# Altium PCB ZYNQ7010_AD9363.PcbDoc (part 3 of 6)
Units mil, origin at the board's own origin, x right, y up, seen from the top; angles counter-clockwise.
Board outline 2907.03 x 3814.03 mil, 4 copper layers (Top Layer, Mid-Layer 1, Mid-Layer 2, Bottom Layer); 298 components, 279 nets, 1517 pads, 915 vias.
Unrouted connection lines stored in the file: 236.
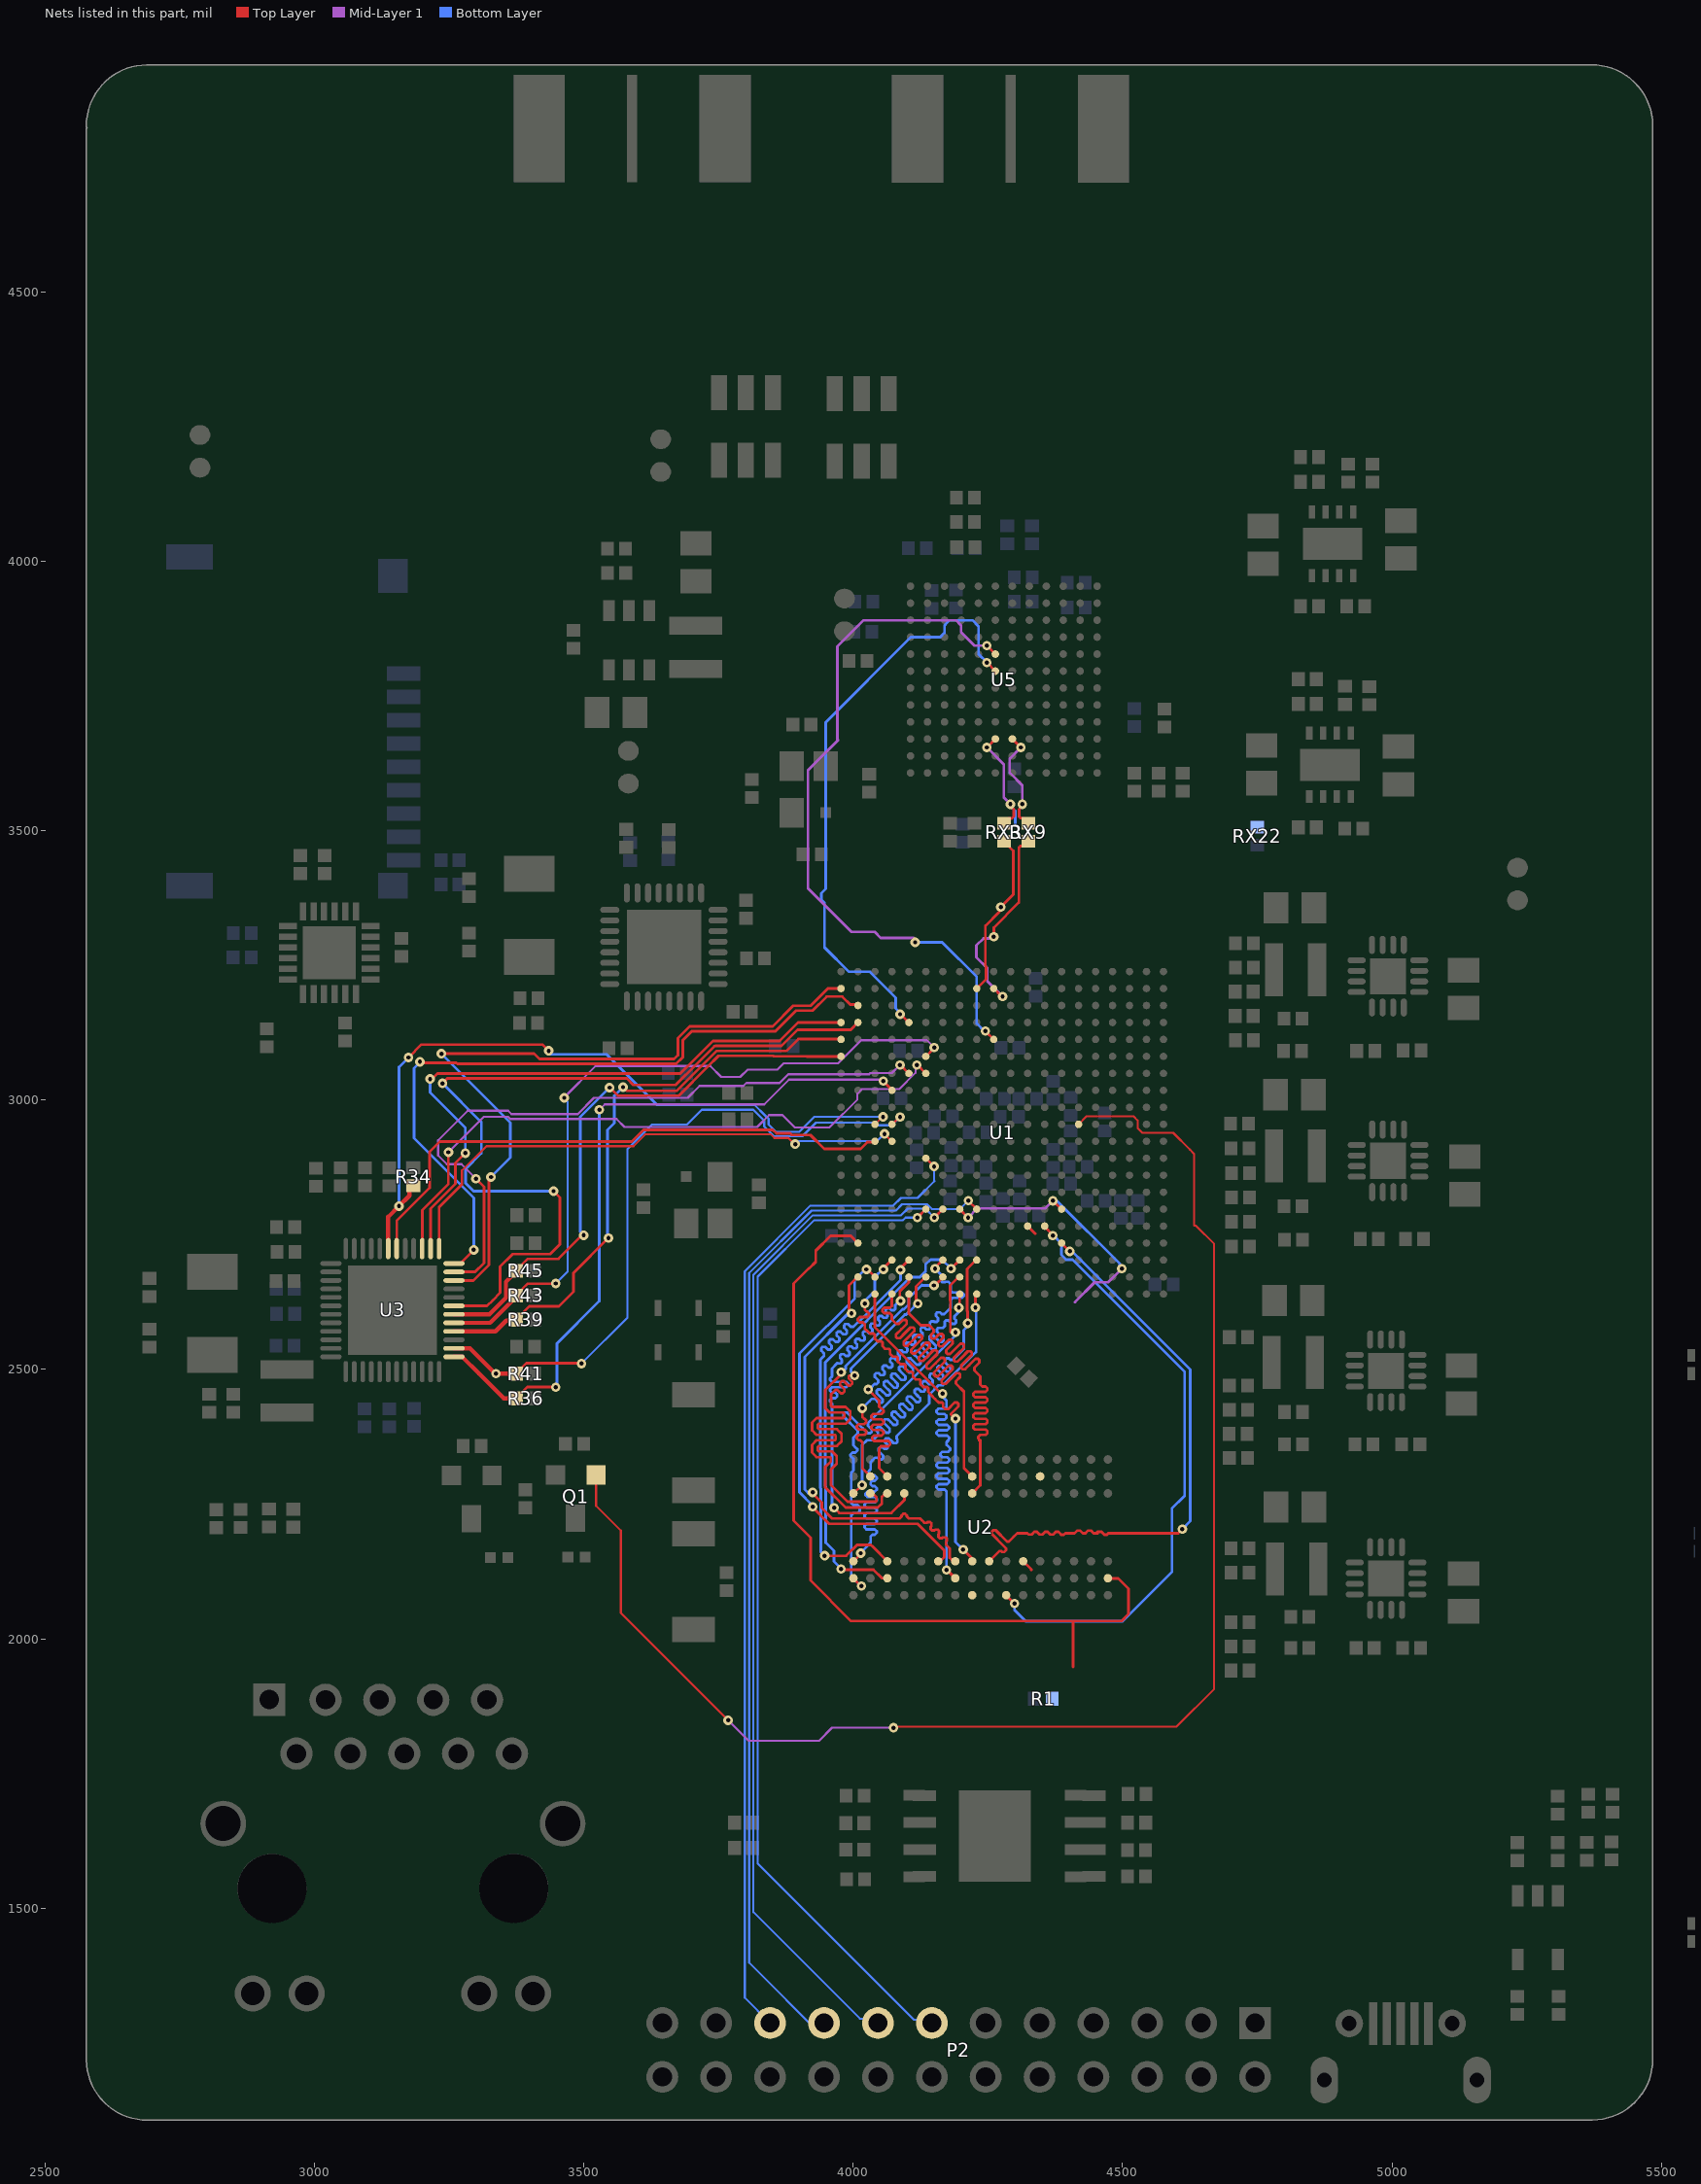
[diagram p5: the nets of this part, all layers, seen from the top]

## Via types
v1: diameter 17.72, hole 7.87, Top Layer to Bottom Layer, tented both sides, 899 vias
v2: diameter 19.68, hole 11.81, Top Layer to Bottom Layer, 16 vias

## Nets (pads, with @x,y where several pads share a name; then routed paths per layer and width w, separated by ;. In a path a pad name is that pad's centre, name@x,y a point inside that pad or via, vN(x,y) a via of type N, cw(c..) or ccw(c..) an arc to the next point about the centre after c; other vN are vias at no path point) (continued)
DDR3_DQ4: U1.D3 U2.H3 | length 782.9
  Top Layer w5: v1(4021.63,2622.39) 4021.63,2612.36 4021.63,2610.86 4025.13,2607.36 4026.28,2607.36 4029.78,2603.86 4029.78,2600.86 4026.28,2597.36 4021.63,2597.36 4012.11,2597.36 4008.61,2593.86 4008.61,2590.86 4012.11,2587.36 4018.13,2587.36 4021.63,2583.86 4021.63,2577.36 4021.63,2575.98 4025.17,2572.45 4031.18,2566.44 4033.3,2566.44 4038.25,2566.44 4040.37,2564.32 4040.37,2559.37 4040.37,2557.24 4045.32,2552.29 4047.44,2552.29 4052.39,2552.29 4054.51,2550.17 4054.51,2545.22 4054.51,2543.1 4059.46,2538.15 4061.59,2538.15 4066.54,2538.15 4068.66,2536.03 4068.66,2531.08 4068.66,2528.96 4073.6,2524.01 4075.73,2524.01 4080.68,2524.01 4082.8,2521.89 4082.8,2516.94 4082.8,2514.82 4087.75,2509.87 4089.87,2509.87 4094.82,2509.87 4096.94,2507.75 4096.94,2502.8 4096.94,2500.67 4101.89,2495.73 4104.01,2495.73 4108.96,2495.73 4111.08,2493.6 4111.08,2488.66 4111.08,2486.53 4116.03,2481.58 4118.15,2481.58 4123.1,2481.58 4125.23,2479.46 4125.23,2474.51 4125.23,2472.39 4130.17,2467.44 4132.3,2467.44 4137.25,2467.44 4139.37,2465.32 4139.37,2460.37 4139.37,2458.25 4145.38,2452.24 4152.45,2445.17 4158.95,2438.66 4160.09,2438.66 4165.03,2438.66 4167.16,2436.54 4167.16,2431.59 4167.16,2430.46 4171.19,2426.43 4176.14,2426.43 4188.33,2438.62 4193.28,2438.62 4195.4,2436.5 4195.4,2431.55 4181.67,2417.82 4181.67,2415.95 4188.73,2408.89 v1(4189.93,2408.89) ; v1(4056.36,2685.6) 4055.68,2685.6 4055.47,2685.39 4054.66,2686.21 U1.D3@4071.8,2703.34 ; v1(4204.14,2165.82) 4221.03,2148.94 U2.H3@4221.03,2144
  Bottom Layer w5: v1(4021.63,2622.39) 4016.85,2622.39 4040.11,2645.65 4040.11,2671.65 4054.45,2685.99 4055.46,2684.99 4056.07,2685.6 v1(4056.36,2685.6) ; v1(4189.93,2408.89) 4189.93,2180.04 v1(4204.14,2165.82)
DDR3_DQ5: U1.D1 U2.H8 | length 890.1
  Top Layer w5: U1.D1@4071.8,2640.35 U1.D1@4071.87,2640.28 ; U1.D1@4071.87,2640.35 U1.D1@4071.87,2640.28 ; U2.H8@4221.03,2301.49 4205.77,2316.75 4205.77,2458.78 4191.02,2473.54 4191.02,2478.49 4198.51,2485.98 4198.51,2490.93 4196.39,2493.05 4191.44,2493.05 4181.47,2483.08 4171.5,2473.11 4166.55,2473.11 4164.43,2475.23 4164.43,2480.18 4174.4,2490.15 4184.37,2500.12 4184.37,2505.07 4182.25,2507.19 4177.3,2507.19 4167.33,2497.22 4157.36,2487.25 4152.41,2487.25 4150.29,2489.38 4150.29,2494.33 4160.26,2504.29 4170.23,2514.26 4170.23,2519.21 4168.11,2521.34 4163.16,2521.34 4153.19,2511.37 4143.22,2501.4 4138.27,2501.4 4136.15,2503.52 4136.15,2508.47 4146.12,2518.44 4156.08,2528.41 4156.08,2533.36 4153.96,2535.48 4149.01,2535.48 4139.04,2525.51 4129.07,2515.54 4124.13,2515.54 4122,2517.66 4122,2522.61 4131.97,2532.58 4141.94,2542.55 4141.94,2547.5 4139.82,2549.62 4134.87,2549.62 4124.9,2539.65 4114.93,2529.68 4109.98,2529.68 4107.86,2531.8 4107.86,2536.75 4117.83,2546.72 4127.8,2556.69 4127.8,2561.64 4125.68,2563.76 4120.73,2563.76 4110.76,2553.79 4100.79,2543.82 4095.84,2543.82 4093.72,2545.94 4093.72,2550.89 4103.69,2560.86 4113.66,2570.83 4113.66,2575.78 4111.54,2577.9 4106.59,2577.9 4096.62,2567.93 4086.65,2557.97 4081.7,2557.97 4079.58,2560.09 4079.58,2565.04 4089.55,2575.01 4099.52,2584.97 4099.52,2589.92 4097.39,2592.05 4092.45,2592.05 4084.95,2584.55 4080,2584.55 4075.4,2589.15 4071.87,2592.68 4071.87,2594.31 4071.87,2600.81 4068.37,2604.31 4057.77,2604.31 4054.27,2607.81 4054.27,2610.81 4057.77,2614.31 4068.37,2614.31 4071.87,2617.81 4071.87,2624.31 4071.87,2629.31 U1.D1@4071.87,2640.28
DDR3_DQ6: U1.C1 U2.G2 | length 834.1
  Top Layer w5: U1.C1@4040.3,2640.1 4040.3,2578.27 4163.57,2455 v1(4166,2455) ; v1(4173.42,2127.83) 4174.21,2127.83 U2.G2@4189.54,2112.51 U2.G2@4189.54,2112.25
  Bottom Layer w5: v1(4166,2455) 4166,2449.57 4173.38,2442.2 4173.38,2437.2 4173.38,2430.7 4169.88,2427.2 4158.52,2427.2 4155.02,2423.7 4155.02,2420.7 4158.52,2417.2 4169.88,2417.2 4173.38,2413.7 4173.38,2410.7 4169.88,2407.2 4158.52,2407.2 4155.02,2403.7 4155.02,2400.7 4158.52,2397.2 4173.38,2397.2 4174.78,2397.2 4178.28,2393.7 4178.28,2390.7 4174.78,2387.2 4173.38,2387.2 4158.52,2387.2 4155.02,2383.7 4155.02,2380.7 4158.52,2377.2 4173.38,2377.2 4174.78,2377.2 4178.28,2373.7 4178.28,2370.7 4174.78,2367.2 ; v1(4173.42,2127.83) 4173.42,2169.36 4173.38,2169.41 4173.38,2273.7 4169.88,2277.2 4158.52,2277.2 4155.02,2280.7 4155.02,2283.7 4158.52,2287.2 4173.38,2287.2 4174.78,2287.2 4178.28,2290.7 4178.28,2293.7 4174.78,2297.2 4173.38,2297.2 4158.52,2297.2 4155.02,2300.7 4155.02,2303.7 4158.52,2307.2 4173.38,2307.2 4174.78,2307.2 4178.28,2310.7 4178.28,2313.7 4174.78,2317.2 4173.38,2317.2 4158.52,2317.2 4155.02,2320.7 4155.02,2323.7 4158.52,2327.2 4173.38,2327.2 4174.78,2327.2 4178.28,2330.7 4178.28,2333.7 4174.78,2337.2 4173.38,2337.2 4165.75,2337.2 4162.25,2340.7 4162.25,2343.7 4165.75,2347.2 4173.38,2347.2 4176.43,2347.2 4179.93,2350.7 4179.93,2353.7 4176.43,2357.2 4173.38,2360.25 4173.38,2364.14 4176.43,2367.2 ; 4174.93,2367.2 4176.28,2367.2
DDR3_DQ7: U1.E1 U2.H7 | length 891.4
  Top Layer w4: U1.E1@4103,2639.5 U1.E1@4103.5,2640
  Top Layer w5: U1.E1@4103.5,2640 4103.5,2604.15 4125.48,2582.17 4141.26,2582.17 4144.79,2578.64 4149.39,2574.04 4149.39,2569.09 4144.4,2564.11 4144.4,2559.16 4146.53,2557.04 4151.48,2557.04 4158.93,2564.5 4160.41,2565.97 4165.36,2565.97 4167.48,2563.85 4167.48,2558.9 4166.01,2557.43 4158.55,2549.97 4158.55,2545.02 4160.67,2542.89 4165.62,2542.89 4173.08,2550.35 4177.46,2554.74 4182.41,2554.74 4184.53,2552.61 4184.53,2547.66 4180.15,2543.28 4172.69,2535.82 4172.69,2530.87 4174.81,2528.75 4179.76,2528.75 4187.22,2536.21 4198.89,2547.88 4203.84,2547.88 4205.96,2545.76 4205.96,2540.81 4194.29,2529.14 4186.83,2521.68 4186.83,2516.73 4188.95,2514.61 4193.9,2514.61 4201.36,2522.07 4213.03,2533.74 4217.98,2533.74 4220.1,2531.62 4220.1,2526.67 4208.43,2515 4200.97,2507.54 4200.97,2502.59 4203.09,2500.47 4208.04,2500.47 4215.5,2507.93 4227.17,2519.59 4232.12,2519.59 4234.24,2517.47 4234.24,2512.52 4225.05,2503.33 4225.05,2498.38 4229.65,2493.79 4236.03,2487.4 4236.03,2482.4 4236.03,2473.52 4236.03,2472.02 4239.53,2468.52 4245.71,2468.52 4249.21,2465.02 4249.21,2462.02 4245.71,2458.52 4236.03,2458.52 4226.35,2458.52 4222.85,2455.02 4222.85,2452.02 4226.35,2448.52 4236.03,2448.52 4245.71,2448.52 4249.21,2445.02 4249.21,2442.02 4245.71,2438.52 4236.03,2438.52 4226.35,2438.52 4222.85,2435.02 4222.85,2432.02 4226.35,2428.52 4236.03,2428.52 4245.71,2428.52 4249.21,2425.02 4249.21,2422.02 4245.71,2418.52 4236.03,2418.52 4226.35,2418.52 4222.85,2415.02 4222.85,2412.02 4226.35,2408.52 4236.03,2408.52 4245.71,2408.52 4249.21,2405.02 4249.21,2402.02 4245.71,2398.52 4236.03,2398.52 4226.35,2398.52 4222.85,2395.02 4222.85,2392.02 4226.35,2388.52 4236.03,2388.52 4245.71,2388.52 4249.21,2385.02 4249.21,2382.02 4245.71,2378.52 4236.03,2378.52 4232.53,2375.02 4232.53,2372.02 4236.03,2368.52 4233.81,2368.52 4236.03,2366.29 4236.03,2321.42 4236.03,2296.74 4236.03,2285 U2.H7@4221.03,2270
DDR3_DQ8: U1.E2 U2.D7 | length 846.7
  Top Layer w5: v1(3964.72,2243.3) 3964.53,2243.3 3962,2245.84 3974.32,2233.52 4070.79,2233.52 4095.05,2257.78 U2.D7@4095.05,2270 ; v1(4088,2627) 4087.87,2627 4086.56,2628.31 4086.56,2644.66 4103.29,2661.38 U1.E2@4103.29,2671.84
  Bottom Layer w5: 3960.57,2436.92 3960.79,2436.7 3960.79,2426.92 3960.79,2421.79 3960.79,2247.23 v1(3964.72,2243.3) ; 3960.58,2436.92 3960.78,2436.92 3957.29,2440.42 3957.29,2443.42 3960.79,2446.92 3966.98,2446.92 3970.48,2450.42 3970.48,2453.42 3966.98,2456.92 3960.79,2456.92 3957.29,2460.42 3957.29,2463.42 3960.79,2466.92 3986.97,2466.92 3990.47,2470.42 3990.47,2473.42 3986.97,2476.92 3960.79,2476.92 3960.57,2476.92 3957.07,2480.42 3957.07,2483.42 3960.57,2486.92 3960.79,2487.14 3960.79,2496.92 3960.79,2501.92 3970.4,2511.54 3971.49,2511.54 3972.01,2511.02 3976.96,2511.02 3979.08,2513.14 3979.08,2518.09 3978.02,2519.15 3975.75,2521.41 3975.75,2526.36 3977.87,2528.48 3982.82,2528.48 3985.09,2526.22 3986.15,2525.16 3991.1,2525.16 3993.22,2527.28 3993.22,2532.23 3992.16,2533.29 3989.9,2535.55 3989.9,2540.5 3992.02,2542.63 3996.97,2542.63 3999.23,2540.36 4000.29,2539.3 4005.24,2539.3 4007.36,2541.42 4007.36,2546.37 4006.3,2547.44 4004.04,2549.7 4004.04,2554.65 4006.16,2556.77 4011.11,2556.77 4013.37,2554.51 4014.43,2553.44 4019.38,2553.44 4021.5,2555.57 4021.5,2560.52 4020.44,2561.58 4018.18,2563.84 4018.18,2568.79 4020.3,2570.91 4025.25,2570.91 4027.51,2568.65 4028.57,2567.59 4033.52,2567.59 4035.65,2569.71 4035.65,2574.66 4034.58,2575.72 4032.32,2577.98 4032.32,2582.93 4034.44,2585.05 4039.39,2585.05 4041.65,2582.79 4042.72,2581.73 4047.67,2581.73 4049.79,2583.85 4049.79,2588.8 4048.73,2589.86 4046.46,2592.12 4046.46,2597.07 4048.59,2599.19 4053.54,2599.19 4055.8,2596.93 4056.86,2595.87 4061.81,2595.87 4063.93,2597.99 4063.93,2602.94 4062.87,2604 4060.61,2606.27 4060.61,2611.22 4062.73,2613.34 4067.68,2613.34 4069.94,2611.07 4071,2610.01 4075.95,2610.01 4078.07,2612.13 4078.07,2617.08 4078.07,2619.21 4080.55,2621.68 4085.86,2627 v1(4088,2627)
DDR3_DQ9: U1.E3 U2.C3 | length 836.5
  Top Layer w4: v1(4087.93,2684.83) 4087.93,2687.99 v1@4088.75,2688.8
  Top Layer w5: v1(3947.11,2154.2) 3987.2,2154.2 4007.36,2174.36 4033.19,2174.36 4036.3,2171.25 U2.C3@4063.55,2144 ; v1@4088.75,2688.8 U1.E3@4103.29,2703.34
  Bottom Layer w5: 3939.07,2517.96 3939.07,2279.65 3940.36,2278.36 3940.36,2160.95 v1(3947.11,2154.2) ; 3939.1,2517.99 3941.46,2520.35 3946.06,2524.95 3946.06,2529.9 3941.19,2534.77 3941.19,2539.72 3943.31,2541.84 3948.26,2541.84 3953.13,2536.97 3958.08,2536.97 3960.2,2539.09 3960.2,2544.04 3955.33,2548.91 3955.33,2553.86 3957.45,2555.98 3962.4,2555.98 3967.27,2551.11 3972.22,2551.11 3974.34,2553.23 3974.34,2558.18 3969.47,2563.05 3969.47,2568 3971.59,2570.12 3976.54,2570.12 3981.41,2565.25 3986.36,2565.25 3988.48,2567.38 3988.48,2572.33 3983.62,2577.2 3983.62,2582.15 3985.74,2584.27 3990.69,2584.27 3995.56,2579.4 4000.51,2579.4 4005.1,2583.99 4008.64,2587.53 4009.25,2587.53 4087.93,2666.21 v1(4087.93,2684.83)
DDR3_DQ10: U1.G3 U2.C8 | length 831.8
  Top Layer w5: v1(4028,2463) v1@4028,2462.64 ; v1@4029,2461.64 v1@4028,2462.64 ; U2.C8@4063.55,2301.49 4048.2,2316.84 4048.2,2336.49 4048.2,2347.44 4048.2,2353.94 4051.7,2357.44 4065.28,2357.44 4068.78,2360.94 4068.78,2363.94 4065.28,2367.44 4048.2,2367.44 4038.74,2367.44 4035.24,2370.94 4035.24,2373.94 4038.74,2377.44 4048.2,2377.44 4053.09,2377.44 4056.59,2380.94 4056.59,2383.94 4053.09,2387.44 4048.2,2387.44 4037.52,2387.44 4034.02,2390.94 4034.02,2393.94 4037.52,2397.44 4048.2,2397.44 4052.82,2397.44 4056.32,2400.94 4056.32,2403.94 4052.82,2407.44 4048.2,2407.44 4037.52,2407.44 4034.02,2410.94 4034.02,2413.94 4037.52,2417.44 4048.2,2417.44 4052.82,2417.44 4056.32,2420.94 4056.32,2423.94 4052.82,2427.44 4051.7,2427.44 4048.2,2430.94 4048.2,2437.44 4048.2,2442.44 4046.67,2443.97 4039.6,2451.04 4036.07,2454.57 v1@4028,2462.64 ; v1(4152,2687) 4152,2689.07 U1.G3@4166.28,2703.34
  Bottom Layer w5: v1(4028,2463) 4029.84,2463 4034.74,2467.89 4039.62,2472.78 4044.03,2472.78 4046.69,2475.44 4046.69,2479.85 4040.48,2486.06 4040.48,2491.01 4042.61,2493.13 4047.56,2493.13 4051.29,2489.4 4056.24,2489.4 4058.36,2491.52 4058.36,2496.47 4054.63,2500.2 4054.63,2505.15 4056.75,2507.27 4061.7,2507.27 4065.43,2503.54 4070.38,2503.54 4072.5,2505.66 4072.5,2510.61 4068.77,2514.35 4068.77,2519.3 4070.89,2521.42 4075.84,2521.42 4079.58,2517.68 4084.53,2517.68 4086.65,2519.8 4086.65,2524.75 4082.91,2528.49 4082.91,2533.44 4085.03,2535.56 4089.98,2535.56 4093.72,2531.82 4098.67,2531.82 4100.79,2533.94 4100.79,2538.89 4097.05,2542.63 4097.05,2547.58 4099.17,2549.7 4104.12,2549.7 4107.86,2545.97 4112.81,2545.97 4114.93,2548.09 4114.93,2553.04 4111.2,2556.77 4111.2,2561.72 4113.32,2563.84 4118.27,2563.84 4122,2560.11 4126.95,2560.11 4129.07,2562.23 4129.07,2567.18 4125.34,2570.91 4125.34,2575.86 4127.46,2577.98 4132.41,2577.98 4136.14,2574.25 4141.09,2574.25 4143.21,2576.37 4143.22,2581.32 4142.6,2581.93 4142.6,2586.88 4144.72,2589.01 4149.67,2589.01 4150.29,2588.39 4155.24,2588.39 4157.36,2590.51 4157.36,2595.46 4153.9,2598.92 4153.9,2603.87 4156.02,2605.99 4160.97,2605.99 4164.43,2602.53 4169.38,2602.53 4173.97,2607.13 4177.51,2610.67 4180.93,2614.08 4180.93,2620.97 4181.28,2621.32 4181.28,2621.81 4181.28,2622.83 4181.28,2629.33 4184.78,2632.83 4201.78,2632.83 4205.28,2636.33 4205.28,2639.33 4201.78,2642.83 4184.78,2642.83 4181.28,2646.33 4181.28,2652.83 4181.28,2657.83 4180.88,2658.22 4176.28,2662.82 4171.33,2662.82 4170.26,2661.75 4165.31,2661.75 4163.19,2663.87 4163.19,2668.82 4164.26,2669.89 4164.26,2674.84 4159.67,2679.44 4156.13,2682.97 4152.1,2687 v1(4152,2687)
DDR3_DQ11: U1.H3 U2.C2 | length 837.8
  Top Layer w5: v1@3977.73,2128.15 4037.84,2128.15 4053.48,2112.51 U2.C2@4063.55,2112.51 ; v1(4181.62,2687.19) U1.H3@4197.78,2703.34
  Bottom Layer w5: v1(3977.73,2129.51) 3977.73,2130.4 3964.49,2143.64 3964.49,2163.4 3949.36,2178.53 3949.36,2282.09 3948.07,2283.38 3948.07,2513.07 4106.1,2671.1 4123.75,2671.1 4134.39,2681.73 4134.39,2694.39 4143.77,2703.77 4165.04,2703.77 v1(4181.62,2687.19)
DDR3_DQ12: U1.J3 U2.A7 | length 833.1
  Top Layer w5: U2.A7@4000.3,2270.26 4000.82,2269.74 v1(4016.53,2285.44) ; v1@4212.59,2586.04 v1(4212.76,2585.88) 4212.76,2607.52 4211.64,2608.64 4211.64,2686.24 4212.59,2687.19 U1.J3@4229.01,2703.61
  Bottom Layer w5: v1@4017.43,2285.44 4016.79,2286.08 4016.79,2359.85 4025.58,2368.63 4036.16,2368.63 4046.06,2378.53 4046.06,2383.48 4043.32,2386.23 4043.32,2391.18 4045.44,2393.3 4050.39,2393.3 4055.61,2388.08 4060.83,2382.86 4065.77,2382.86 4067.9,2384.99 4067.9,2389.94 4062.68,2395.15 4057.46,2400.37 4057.46,2405.32 4059.58,2407.44 4064.53,2407.44 4069.75,2402.22 4074.97,2397.01 4079.92,2397.01 4082.04,2399.13 4082.04,2404.08 4076.82,2409.29 4071.61,2414.51 4071.61,2419.46 4073.73,2421.58 4078.68,2421.58 4083.89,2416.37 4089.11,2411.15 4094.06,2411.15 4096.18,2413.27 4096.18,2418.22 4090.96,2423.44 4085.75,2428.65 4085.75,2433.6 4087.87,2435.72 4092.82,2435.72 4098.03,2430.51 4103.25,2425.29 4108.2,2425.29 4110.32,2427.41 4110.32,2432.36 4105.11,2437.58 4099.89,2442.8 4099.89,2447.74 4102.01,2449.87 4106.96,2449.87 4112.18,2444.65 4117.39,2439.43 4122.34,2439.43 4124.46,2441.55 4124.46,2446.5 4119.25,2451.72 4114.03,2456.94 4114.03,2461.89 4116.15,2464.01 4121.1,2464.01 4126.32,2458.79 4131.27,2458.79 4133.39,2460.91 4133.39,2465.86 4128.17,2471.08 4128.17,2476.03 4130.29,2478.15 4135.24,2478.15 4140.46,2472.93 4145.41,2472.93 4147.53,2475.06 4147.53,2480 4142.32,2485.22 4142.32,2490.17 4144.44,2492.29 4149.39,2492.29 4154.6,2487.08 4159.82,2481.86 4164.77,2481.86 4166.89,2483.98 4166.89,2488.93 4161.67,2494.15 4156.46,2499.36 4156.46,2504.31 4158.58,2506.43 4163.53,2506.43 4168.75,2501.22 4173.96,2496 4178.91,2496 4181.03,2498.12 4181.03,2503.07 4175.82,2508.29 4170.6,2513.51 4170.6,2518.46 4172.72,2520.58 4177.67,2520.58 4180.41,2517.84 4185.36,2517.84 4189.96,2522.43 4193.49,2525.97 4205.36,2537.83 4205.36,2573.13 v1@4212.76,2580.54
DDR3_DQ13: U1.H2 U2.A2 | length 837
  Top Layer w5: U2.A2@4000.56,2112.51 v1@4012.49,2100.59 ; v1(4190,2569) 4181.69,2569 4180.36,2570.33 4180.36,2628.36 4180.12,2628.6 4180.12,2655.7 U1.H2@4196.62,2672.2
  Bottom Layer w5: v1@4012.49,2100.59 3996.5,2116.57 3996.5,2212 3996.5,2229.5 4000.25,2233.25 4008.37,2233.25 4012.12,2237 4012.12,2244.5 4008.37,2248.25 4000.25,2248.25 3996.5,2252 3996.5,2267 3996.5,2308.54 4000.35,2312.39 4000.35,2330.8 4000.35,2334.33 3998.88,2335.8 3995.38,2339.3 3995.38,2342.3 3998.88,2345.8 4000.35,2345.8 4004.29,2345.8 4007.79,2349.3 4007.79,2352.3 4004.29,2355.8 4003.85,2355.8 4000.35,2359.3 4000.35,2365.8 4000.35,2373.29 4003.88,2376.82 4008.48,2381.42 4008.48,2386.37 3982,2412.85 3982,2417.8 3984.12,2419.92 3989.07,2419.92 4018.02,2390.96 4027.25,2381.74 4032.2,2381.74 4034.32,2383.86 4034.32,2388.81 4027.57,2395.56 4027.57,2400.51 4032.17,2405.11 4032.27,2405.11 4176.67,2549.51 4176.67,2549.61 4190,2562.94 v1(4190,2569)
  other v1: 4015.52,2098.24
DDR3_DQ14: U1.H1 U2.B8 | length 844.1
  Top Layer w5: v1(4017,2428) 4017.06,2427.94 4017.06,2426.29 4017.06,2413.54 4017.06,2412.04 4020.56,2408.54 4020.95,2408.54 4024.45,2405.04 4024.45,2402.04 4020.95,2398.54 4017.06,2398.54 4010.3,2398.54 4006.8,2395.04 4006.8,2392.04 4010.3,2388.54 4017.06,2388.54 4020.95,2388.54 4024.45,2385.04 4024.45,2382.04 4020.95,2378.54 4017.06,2378.54 4010.3,2378.54 4006.8,2375.04 4006.8,2372.04 4010.3,2368.54 4013.56,2368.54 4017.06,2365.04 4017.06,2332.96 4017.06,2316.49 U2.B8@4032.06,2301.49 ; v1(4196.28,2614.61) 4197.78,2614.61 U1.H1@4197.78,2640.35
  Bottom Layer w5: v1@4013.33,2423.22 4016.46,2426.35 4016.46,2427.04 4018.15,2428.73 4023.29,2433.86 4030.36,2440.93 4034.95,2445.53 4039.9,2445.53 4047.46,2437.97 4052.41,2437.97 4054.53,2440.1 4054.53,2445.05 4044.5,2455.08 4043.7,2455.87 4043.7,2460.82 4045.82,2462.94 4050.77,2462.94 4051.57,2462.15 4061.6,2452.12 4066.55,2452.12 4068.67,2454.24 4068.67,2459.19 4058.64,2469.22 4056.9,2470.96 4056.9,2475.91 4059.02,2478.03 4063.97,2478.03 4065.71,2476.29 4075.74,2466.26 4080.69,2466.26 4082.81,2468.38 4082.81,2473.33 4072.78,2483.36 4071.04,2485.1 4071.04,2490.05 4073.16,2492.18 4078.11,2492.18 4079.85,2490.43 4089.88,2480.4 4094.83,2480.4 4096.95,2482.52 4096.95,2487.47 4086.92,2497.5 4085.18,2499.25 4085.18,2504.2 4087.3,2506.32 4092.25,2506.32 4094,2504.57 4104.03,2494.54 4108.98,2494.54 4111.1,2496.66 4111.1,2501.61 4101.07,2511.64 4099.32,2513.39 4099.32,2518.34 4101.44,2520.46 4106.39,2520.46 4108.14,2518.72 4118.17,2508.69 4123.12,2508.69 4125.24,2510.81 4125.24,2515.76 4115.21,2525.79 4113.46,2527.53 4113.46,2532.48 4115.59,2534.6 4120.54,2534.6 4122.28,2532.86 4132.31,2522.83 4137.26,2522.83 4139.38,2524.95 4139.38,2529.9 4129.35,2539.93 4127.61,2541.67 4127.61,2546.62 4129.73,2548.74 4134.68,2548.74 4136.42,2547 4146.45,2536.97 4151.4,2536.97 4153.52,2539.09 4153.52,2544.04 4143.49,2554.07 4141.75,2555.82 4141.75,2560.76 4143.87,2562.89 4148.82,2562.89 4150.56,2561.14 4160.59,2551.11 4165.54,2551.11 4167.67,2553.23 4167.67,2558.18 4157.64,2568.21 4155.89,2569.96 4155.89,2574.91 4158.01,2577.03 4162.96,2577.03 4166.45,2577.03 4170.03,2580.61 4170.03,2584.1 4170.03,2589.05 4172.15,2591.17 4177.1,2591.17 4178.85,2589.43 4183.75,2584.53 4188.7,2584.53 4190.82,2586.65 4190.82,2591.6 4188.39,2594.02 4188.39,2598.97 4189.46,2600.03 4196.28,2606.86 v1(4196.28,2614.61)
DDR3_DQ15: U1.J1 U2.A3 | length 834.7
  Top Layer w5: U2.A3@4000.56,2144 v1@4017.07,2160.51 ; v1(4227,2615) 4227,2638.08 U1.J1@4229.28,2640.35
  Bottom Layer w5: v1@4015.85,2161.74 4032.43,2178.32 4032.43,2183.32 4032.43,2189.82 4035.93,2193.32 4040.24,2193.32 4043.74,2196.82 4043.74,2199.82 4040.24,2203.32 4032.43,2203.32 4024.62,2203.32 4021.12,2206.82 4021.12,2209.82 4024.62,2213.32 4032.43,2213.32 4040.24,2213.32 4043.74,2216.82 4043.74,2219.82 4040.24,2223.32 4032.43,2223.32 4024.62,2223.32 4021.12,2226.82 4021.12,2229.82 4024.62,2233.32 4032.43,2233.32 4040.24,2233.32 4043.74,2236.82 4043.74,2239.82 4040.24,2243.32 4032.43,2243.32 4024.62,2243.32 4021.12,2246.82 4021.12,2249.82 4024.62,2253.32 4032.43,2253.32 4040.24,2253.32 4043.74,2256.82 4043.74,2259.82 4040.24,2263.32 4032.43,2263.32 4026.67,2263.32 4023.17,2266.82 4023.17,2269.82 4026.67,2273.32 4032.43,2273.32 4040.24,2273.32 4043.74,2276.82 4043.74,2279.82 4040.24,2283.32 4035.93,2283.32 4032.43,2286.82 4032.43,2289.82 4035.93,2293.32 4040.24,2293.32 4043.74,2296.82 4043.74,2299.82 4040.24,2303.32 4032.43,2303.32 4031.25,2303.32 4027.75,2306.82 4027.75,2309.82 4031.25,2313.32 4030.56,2313.32 4032.43,2315.2 4032.43,2323.32 4032.43,2327.97 4035.97,2331.51 4040.56,2336.1 4045.51,2336.1 4048.56,2333.06 4053.51,2333.06 4055.63,2335.18 4055.63,2340.13 4050.11,2345.65 4047.54,2348.21 4047.54,2353.16 4049.67,2355.29 4054.61,2355.29 4057.18,2352.72 4057.24,2352.66 4062.19,2352.66 4064.31,2354.79 4064.31,2359.74 4064.25,2359.79 4059,2365.04 4059,2369.99 4061.12,2372.11 4066.07,2372.11 4071.32,2366.86 4074.97,2363.22 4079.92,2363.22 4082.04,2365.34 4082.04,2370.29 4080.87,2371.46 4080.87,2376.41 4132.23,2427.77 4141.06,2436.6 4141.06,2452.95 4158.82,2470.71 4166.35,2470.71 4228.12,2532.48 4228.12,2613.88 v1(4227,2615)
  other v1: 4014,2159
DDR3_DQS0_N: U1.B2 U2.G3 | length 835.4
  Top Layer w5: v1(3925,2272) 3925,2269.99 3941.95,2253.04 3941.95,2242.66 3961.09,2223.52 4084.74,2223.52 4086.24,2223.52 4089.74,2227.02 4089.74,2228.89 4093.24,2232.39 4096.24,2232.39 4099.74,2228.89 4099.74,2227.02 4103.24,2223.52 4109.74,2223.52 4119.74,2223.52 4123.9,2223.52 4127.43,2219.98 4132.03,2215.39 4136.98,2215.39 4138.3,2216.71 4143.25,2216.71 4145.37,2214.59 4145.37,2209.64 4144.05,2208.32 4144.05,2203.37 4146.17,2201.24 4151.12,2201.24 4152.44,2202.57 4157.39,2202.57 4159.51,2200.44 4159.51,2195.49 4158.19,2194.17 4158.19,2189.22 4160.31,2187.1 4165.26,2187.1 4166.58,2188.42 4171.53,2188.42 4173.66,2186.3 4173.66,2181.35 4172.33,2180.03 4172.33,2175.08 4175.61,2171.81 4179.28,2168.13 4179.28,2150.56 4185.84,2144 U2.G3@4189.54,2144 ; v1(3997,2604) 3996.94,2604 3995.94,2603 3992.67,2606.27 3992.67,2655.72 U1.B2@4008.8,2671.84
  Bottom Layer w5: v1(3925,2272) 3917.5,2272 3916.44,2270.94 3910.5,2276.89 3910.5,2523.41 3991.09,2604 v1(3997,2604)
DDR3_DQS0_P: U1.C2 U2.F3 | length 830.6
  Top Layer w5: v1(3925,2245) 3925,2244.14 3938.37,2230.77 3938.37,2230.3 3955.15,2213.52 4119.76,2213.52 4169.28,2163.99 4169.28,2151.86 4161.43,2144 U2.F3@4158.04,2144 ; v1(4024.76,2685.65) 4026.26,2685.65 4040.06,2671.84 U1.C2@4040.3,2671.84
  Bottom Layer w5: v1(3925,2245) 3924.14,2245 3924.14,2248.56 3900.5,2272.19 3900.5,2529.49 4002.95,2631.94 4002.95,2666.05 4022.54,2685.65 v1(4024.76,2685.65)
DDR3_DQS1_N: U1.F2 U2.B7 | length 839.6
  Top Layer w5: v1(4002.8,2488.67) 3993.58,2488.67 3991.81,2486.91 3991.81,2483.37 3998.18,2477.01 3998.18,2473.47 3994.64,2469.94 3991.1,2469.94 3982.97,2478.07 3982.64,2478.4 3979.1,2478.4 3975.57,2474.87 3975.57,2471.33 3975.9,2471 3984.03,2462.87 3984.03,2459.33 3980.5,2455.79 3976.96,2455.79 3970.6,2462.16 3967.06,2462.16 3961.76,2456.86 3959.11,2454.2 3959.11,2449.2 3959.11,2442.14 3959.11,2432.58 3961.15,2430.53 3986.26,2430.53 3994.54,2422.25 3994.54,2407.52 3986.26,2399.24 3936.49,2399.24 3934.45,2397.2 3934.45,2391.29 3936.49,2389.24 3970.18,2389.24 3978.46,2380.96 3978.46,2366.23 3970.18,2357.95 3936.49,2357.95 3934.45,2355.91 3934.45,2350 3936.49,2347.95 3961.15,2347.95 3969.43,2339.67 3969.43,2324.94 3959.11,2314.62 3959.11,2285.11 3989.7,2254.52 4041.46,2254.52 4043.42,2256.48 4043.42,2262.7 4036.12,2270 U2.B7@4032.06,2270 ; v1(4120,2622) 4118.66,2622 4117.15,2623.51 4117.15,2654.2 U1.F2@4134.79,2671.84
  Bottom Layer w5: v1(4002.8,2488.67) 3995.98,2495.49 3995.98,2501.76 4095.86,2601.64 4098.5,2601.64 4113.36,2616.5 4113.36,2619.14 4117.15,2622.93 4118.32,2621.75 4118.58,2622 v1(4120,2622)
DDR3_DQS1_P: U1.G2 U2.C7 | length 840.4
  Top Layer w5: v1(3977.85,2495.07) 3977.85,2491.29 3948.46,2461.91 3948.46,2428.17 3956.74,2419.89 3981.85,2419.89 3983.89,2417.84 3983.89,2411.93 3981.85,2409.89 3932.08,2409.89 3923.8,2401.61 3923.8,2386.88 3932.08,2378.6 3965.77,2378.6 3967.82,2376.55 3967.82,2370.64 3965.77,2368.6 3932.08,2368.6 3923.8,2360.32 3923.8,2345.59 3932.08,2337.31 3956.74,2337.31 3958.79,2335.26 3958.79,2329.35 3948.46,2319.03 3948.46,2281.27 3986.05,2243.69 4045.79,2243.69 4053.5,2251.39 4053.5,2263.95 4059.55,2270 U2.C7@4063.55,2270 ; v1(4150,2656) 4151.59,2656 4152.59,2657 4166.28,2670.68 U1.G2@4166.28,2671.84
  Bottom Layer w5: v1(3977.85,2495.07) 3979.97,2495.07 3985.98,2501.08 3985.98,2505.9 4091.72,2611.64 4094.36,2611.64 4103.36,2620.64 4103.36,2632.48 4127.88,2657 4128.88,2656 v1(4150,2656)
DDR3_ODT: U1.N5 U2.K1 | length 1139.8
  Top Layer w5: U2.K1@4284.02,2081 v1(4299.55,2065.48) ; U1.N5@4354.64,2765.72 4370.48,2749.88 v1(4370.48,2748.43)
  Bottom Layer w5: v1(4299.55,2065.48) 4299.55,2053.45 4320.3,2032.7 4500.28,2032.7 4591.68,2124.1 4591.68,2241.68 4615.04,2265.04 4615.04,2495.96 4407.21,2703.79 4395.37,2703.79 4386.58,2712.58 4386.58,2725 4386.89,2725.31 4386.89,2733.47 4371.93,2748.43 v1(4370.48,2748.43)
DDR3_RAS: U1.P4 U2.J3 | length 1128.9
  Top Layer w5: U2.J3@4252.53,2141.67 4252.53,2143.79 U2.J3@4252.53,2144 4261.91,2153.38 4269.32,2160.79 4271.43,2162.9 4274.97,2162.9 4276.74,2161.13 4280.28,2161.13 4283.81,2164.66 4283.81,2168.2 4280.27,2171.74 4257.22,2194.79 4257.22,2198.32 4260.76,2201.86 4264.29,2201.86 4285.57,2180.58 4289.11,2180.58 4294.41,2185.88 4297.95,2189.42 4304.55,2196.03 4313.68,2196.03 4323.63,2196.03 4323.68,2195.98 4326.18,2193.53 4331.18,2193.53 4333.68,2196.03 ; 4333.68,2196.06 4336.18,2198.56 4341.18,2198.56 4343.68,2196.06 ; 4343.68,2196.03 4346.18,2193.53 4351.18,2193.53 4353.68,2196.03 4356.18,2198.53 4361.18,2198.53 4363.68,2196.03 4366.18,2193.53 4371.18,2193.53 4373.68,2196.03 4376.18,2198.53 4381.18,2198.53 4383.68,2196.03 4386.18,2193.48 4391.18,2193.48 4393.68,2195.98 4393.73,2196.03 4403.68,2196.03 4411.18,2196.03 4413.68,2198.53 4416.18,2201.03 4421.18,2201.03 4423.68,2198.53 4426.18,2196.03 4431.18,2196.03 4433.68,2198.53 4436.18,2201.03 4441.18,2201.03 4443.68,2198.53 4446.18,2196.03 4451.18,2196.03 4453.68,2198.53 ; U1.P4@4386.76,2734.63 v1(4402.19,2719.19) ; 4453.68,2196.03 4456.18,2198.53 4461.18,2198.53 4463.68,2196.03 4466.18,2193.48 4471.18,2193.48 4473.68,2195.98 4473.73,2196.03 4478.68,2196.03 4603.37,2196.03 v1(4610.99,2203.65) ; 4453.68,2197.15 4453.68,2197.4
  Bottom Layer w5: v1(4402.19,2719.19) 4406.4,2719.19 4625.66,2499.94 4625.66,2218.32 v1(4610.99,2203.65)
DDR3_RESET: R1.1 U1.B4 U2.T2 | length 1542.5
  Top Layer w5: U1.B4@4009.01,2734.49 3995.62,2747.88 3958.16,2747.88 3930.64,2720.36 3930.64,2699.64 3918.37,2687.37 3917.7,2687.37 3889.67,2659.33 3889.67,2219.33 3921,2188 3921,2108.39 3996.4,2033 4408.48,2033 ; 4408.42,1947.69 4408.42,2032.93 4408.48,2033 ; U2.T2@4473.21,2112.16 4492.21,2112.16 4511.02,2093.35 4511.02,2046.02 4498,2033 4408.48,2033
DDR3_VREF: C1.1 R4.1 R5.2 U1.H6 U1.P6 U2.H1 U2.M8 | length 513.9
  Top Layer w5: U1.H6@4197.64,2797.34 v1(4213.38,2781.6) ; v1(4370.88,2813.08) U1.P6@4386.62,2797.34
  Mid-Layer 1 w5: v1(4213.38,2781.6) 4230.78,2799 4356.8,2799 v1(4370.88,2813.08) ; 4411.64,2625.02 4448.38,2661.76 4473.42,2661.76 v1(4498.56,2686.9) v1@4500.67,2689.01
  Bottom Layer w5: v1(4370.88,2813.08) 4378.06,2813.08 4494.9,2696.24 4494.9,2690.56 v1(4498.56,2686.9)
DDR3_WE: U1.M5 U2.L3 | length 42.9
  Top Layer w5: U2.L3@4315.52,2144 4330.52,2129 4330.52,2127.97 ; U1.M5@4323.72,2766.37 4338.28,2751.81
EN_AGC: U1.K16 U5.G5 | length 1332.5
  Top Layer w5: v1(4245.31,3128.18) U1.K16@4261.05,3112.44 ; v1(4248.25,3843.37) U5.G5@4264,3827.61
  Mid-Layer 1 w5: 3971,3669 3971,3842 4019.38,3890.38 4190.74,3890.38 4200.29,3880.83 4200.29,3867.88 4224.8,3843.37 v1(4248.25,3843.37) ; 3972.18,3667.82 3916.28,3611.91 3916.28,3392.64 3996.92,3312 4040.28,3312 4051.28,3301 4112.07,3301 4112.57,3300.5 4112.57,3295.07 v1(4115,3292.64)
  Bottom Layer w5: v1(4115,3292.64) 4165.08,3292.64 4229.36,3228.36 4229.36,3142.07 4243.25,3128.18 v1(4245.31,3128.18)
ENABLE: U1.E17 U5.G6 | length 1121.9
  Top Layer w5: v1(4087.13,3159.15) 4087.7,3159.15 4103.05,3143.8 U1.E17@4103.05,3143.44 ; v1(4248.25,3811.87) U5.G6@4264,3796.12
  Bottom Layer w5: v1(4087.13,3159.15) 4087.13,3161.87 4078.95,3170.05 4078.95,3190.05 4047.62,3221.38 4047.62,3221.63 4031.24,3238 3992.27,3238 3947,3283.27 3947,3366 3941,3372 3941,3384 3949,3392 3949,3700.84 4107.27,3859.1 4161.47,3859.1 4169.57,3867.2 4169.57,3880.83 4171,3882.26 4171,3882.6 4178.78,3890.38 4221.23,3890.38 4232.74,3878.87 4232.74,3827.38 v1(4248.25,3811.87)
ETH_MDC: U1.C10 U3.30 | length 1068.9
  Top Layer w5: U3.30@3153.01,2724.26 3153.01,2775.95 3214,2836.94 3214,2904 3233,2923 3589,2923 3610.7,2944.7 3851.01,2944.7 3857.72,2938 3883.27,2938 3886.27,2935 3920.73,2935 3946.38,2909.34 4014.02,2909.34 4026.45,2921.78 4038.83,2921.78 U1.C10@4040.51,2923.46
ETH_MDIO: R34.2 U1.C11 U3.31 | length 1415.8
  Top Layer w4: U1.C11@4040.51,2954.96 v1@4054.21,2968.66
  Top Layer w5: v1(3175,3079) 3199,3103 3423.36,3103 v1(3435,3091.36)
  Top Layer w8: U3.31@3137.26,2724.26 3137.26,2783.26 v1(3157.18,2803.18) 3176.58,2822.58 3176.58,2833.32 R34.2@3184,2840.74
  Bottom Layer w4: 3636,2991 3817.14,2991 3836.5,2971.64 3843.01,2965.12 3843.01,2954.3 3856.31,2941 3900,2941 3927.66,2968.66 v1(4055.59,2968.66)
  Bottom Layer w5: v1(3157.18,2803.18) 3157.18,3061.18 v1(3175,3079) ; v1(3435,3091.36) 3435,3087.93 3437.93,3085 3542,3085 3636,2991
ETH_RXCK: U1.B17 U3.19 | length 1606.8
  Top Layer w5: v1@3233.42,3026.42 v1(3238,3031) 3247,3040 3580,3040 3592,3028 3670.82,3028 3711,3068.18 3742.82,3100 3743.5,3100 3744.18,3100.68 3867.14,3100.68 3897,3130.54 3995.62,3130.54 U1.B17@4009.01,3143.93 ; U3.19@3259.31,2617.96 3320.75,2617.96 3331,2628.2 3345,2642.2 3345,2691.2 3368,2714.2 3438,2714.2 3455.9,2732.1 3455.9,2819.1 v1(3444,2831)
  Bottom Layer w5: v1(3238,3031) 3310,2959 3310,2901 3281,2872 3281,2845.73 3295.73,2831 v1(3444,2831)
ETH_RXCTL: R36.2 U1.D13 U3.13 | length 1353.8
  Top Layer w5: R36.2@3375.26,2446.2 3375.26,2447.18 3395.28,2467.2 v1@3448,2467.2 ; v1(4056,3035.23) 4057,3034.23 4057,3034 4072.01,3018.99 U1.D13@4072.01,3017.95
  Top Layer w8: U3.13@3259.31,2523.47 3274.66,2523.47 3305.93,2492.2 3306,2492.2 3352,2446.2 R36.2@3375.26,2446.2
  Mid-Layer 1 w4: v1(3529,2982) 3539,2992 3835,2992 3881,3038 v1@4053.23,3038
  Mid-Layer 1 w5: v1@4053.23,3038 v1(4056,3035.23)
  Bottom Layer w5: v1(3448,2467) 3450.35,2469.35 3450.35,2548.08 3529,2626.73 v1(3529,2982)
ETH_RXD0: R41.1 U1.D11 U3.14 | length 1300.5
  Top Layer w4: U1.D11@4072.01,2954.96 4072.81,2954.96 4086.34,2968.48 v1(4087.14,2968.48)
  Top Layer w5: R41.1@3375.26,2492.2 3375.26,2493.18 3393.57,2511.5 v1@3496,2511.5
  Top Layer w8: U3.14@3259.31,2539.22 3288.98,2539.22 3336,2492.2 R41.1@3375.26,2492.2
  Bottom Layer w4: v1(3496,2511) 3581,2596 3581,2909 3626.5,2954.5 3691.5,2954.5 3719,2982 3814.82,2982 3824.42,2972.4 3835.01,2961.81 3835.01,2950.99 3853,2933 3906,2933 3931,2958 4036,2958 4041,2953 4071.44,2953 4085.53,2967.09 4085.75,2967.09 v1(4087.14,2968.48)
  other v1: 3337.26,2492.26
ETH_RXD1: R39.1 U1.A16 U3.16 | length 1123.7
  Top Layer w5: R39.1@3375.26,2592.2 3375.26,2593.18 3399.28,2617.2 3454,2617.2 3481,2644.2 3481,2679 v1(3546,2744) ; v1@3570.38,3026.62 3580,3017 3672.54,3017 3720,3064.46 3746.54,3091 3876,3091 3898.36,3113.36 3976.6,3113.36 U1.A16@3977.52,3112.44
  Top Layer w8: U3.16@3259.31,2570.71 3336.51,2570.71 3356.14,2590.34 3373.41,2590.34 R39.1@3375.26,2592.2
  Bottom Layer w5: v1(3546,2744) 3544,2746 3544,2944.5 3557,2957.5 3557,3008 v1(3573,3024)
ETH_RXD2: R43.1 U1.F15 U3.17 | length 1355.9
  Top Layer w5: R43.1@3375.53,2637.2 3375.53,2638.18 3396.55,2659.2 v1@3448,2659.2 ; U1.F15@4135,3080.94 v1@4150.49,3096.44
  Top Layer w8: U3.17@3259.31,2586.46 3326.23,2586.46 3366,2626.23 3366,2626.68 3375.53,2636.22 R43.1@3375.53,2637.2
  Mid-Layer 1 w4: v1(3464.02,3004.04) 3464.02,3005.02 3522,3063 3734.99,3063 3755.2,3042.78 3790.44,3042.78 3804.15,3056.5 3859.5,3056.5 3871,3068 3972,3068 4015,3111 4137.01,3111 v1(4150.49,3097.52)
  Bottom Layer w4: v1(3448.26,2659.46) 3470,2681.2 3470,2996.28 3464.02,3002.26 v1(3464.02,3004.04)
  Bottom Layer w5: v1@4148.48,3099.53 4148.48,3097.52 v1(4150.49,3097.52)
ETH_RXD3: R45.1 U1.A15 U3.18 | length 1085.1
  Top Layer w5: R45.1@3375.26,2683.2 3375.26,2684.18 3396.28,2705.2 3453,2705.2 v1@3498.4,2750.6 ; v1(3548,3023) 3549,3023 3564,3008 3676.27,3008 3729,3060.73 3750.27,3082 3851.73,3082 3852.73,3081 3914.28,3081 3914.34,3080.94 U1.A15@3977.52,3080.94
  Top Layer w8: U3.18@3259.31,2602.21 3325,2602.21 3355.72,2632.92 3355.72,2662.67 3375.26,2682.22 R45.1@3375.26,2683.2
  Bottom Layer w5: v1(3500,2749) 3493.64,2755.36 3493.64,2968.64 v1(3548,3023)
ETH_TXCK: U1.A19 U3.22 | length 1354.1
  Top Layer w5: v1(3236,3086) 3408,3086 3418,3076 3667.9,3076 3675,3083.1 3675,3114.73 3696.95,3136.68 3850.68,3136.68 3889,3175 3921.27,3175 3953.2,3206.93 U1.A19@3977.52,3206.93 ; U3.22@3259.31,2665.2 3295.45,2665.2 3324,2693.74 v1@3324,2856
  Bottom Layer w5: v1(3236,3086) 3364,2958 3364,2893 v1(3328,2857)
ETH_TXCTL: U1.F14 U3.27 | length 1205.2
  Top Layer w5: U3.27@3200.26,2724.26 3200.36,2724.36 3200.36,2795.56 3249,2844.2 v1(3249,2903) ; v1@4119.5,3064.95 U1.F14@4135,3049.45
  Mid-Layer 1 w4: v1(3249,2903) 3314.86,2968.86 3359.83,2968.86 3363.83,2964.86 3561.13,2964.86 3575.85,2950.14 3822.14,2950.14 3844,2972 3869,2972 3892,2949 3956,2949 4007.99,3000.99 4007.99,3011.99 4016.37,3020.37 4085.56,3020.37 4115.8,3050.61 4115.8,3062.32 v1(4118.42,3064.95)
ETH_TXD0: U1.E14 U3.23 | length 1284.9
  Top Layer w5: U3.23@3259.31,2680.95 3298.47,2680.95 3315,2697.47 3315,2839 v1(3300,2854) ; v1@4088,3064.95 U1.E14@4103.5,3049.45
  Mid-Layer 1 w4: v1(3300,2854) 3273,2881 3246,2881 3230,2897 3230,2925 3285,2980 3360,2980 3366,2974 3489,2974 3519,3004 3693,3004 3715,3026 3796.28,3026 3801.94,3031.66 3863.34,3031.66 3879.69,3048 4029.74,3048 4031.83,3050.09 4062.15,3050.09 4062.24,3050 4071.98,3050 v1(4086.92,3064.95)
  Mid-Layer 1 w5: v1@4086.92,3062.92 v1(4086.92,3064.95)
ETH_TXD1: U1.B18 U3.24 | length 1337.7
  Top Layer w5: v1@3196,3069 3263.27,3069 3265.27,3067 3671.63,3067 3684,3079.37 3684,3111 3700.68,3127.68 3855.86,3127.68 3894.18,3166 3925,3166 3951,3192 3979.89,3192 3994.78,3177.11 4007.33,3177.11 U1.B18@4009.01,3175.43 ; U3.24@3259.31,2696.7 3270.7,2696.7 v1(3296,2722)
  Bottom Layer w5: v1(3196,3071) 3196,3069.87 3185,3058.87 3185,2929 3296,2818 v1(3296,2722)
ETH_TXD2: U1.D10 U3.25 | length 1010
  Top Layer w4: 3274,2869 3319.5,2914.5 3592.52,2914.5 3614.23,2936.2 3847.49,2936.2 3854.2,2929.5 3879.75,2929.5 3891.11,2918.14 v1(3892.58,2918.14) ; v1(4058.31,2937.14) U1.D10@4072.01,2923.46
  Top Layer w5: U3.25@3231.75,2724.26 3231.75,2801.5 3274,2843.75 3274,2869
  Bottom Layer w4: v1(3892.58,2918.14) 3892.58,2919.58 3897,2924 4044.17,2924 4057.31,2937.14 v1(4058.31,2937.14)
ETH_TXD3: U1.A17 U3.26 | length 1173.9
  Top Layer w5: v1(3215,3039) 3218.29,3039 3228.29,3049 3679.09,3049 3702,3071.91 3739.77,3109.68 3863.32,3109.68 3897.57,3143.93 U1.A17@3977.52,3143.93 ; U3.26@3216,2724.26 3216,2798.48 3262,2844.48 3262,2883 v1@3280,2901
  Bottom Layer w5: v1(3215,3039) 3215,3014 3280.53,2948.47 v1(3280.53,2901.44)
FB_CLK_N: RX3.1 U1.J19 | length 310.2
  Top Layer w5: U1.J19@4229.49,3206.93 4247,3224.44 4247,3247.43 4245.62,3248.8 4245.62,3323.62 4271.57,3349.57 4271.57,3355.57 v1(4274,3358) 4297.5,3381.5 4297.5,3462.5 4290.3,3469.7 4290.3,3470.69 4280.98,3480 RX3.1@4280,3480
FB_CLK_P: RX9.1 U1.K19 | length 382.9
  Top Layer w5: U1.K19@4260.98,3206.93 4261.28,3206.93 4276.06,3192.15 v1(4277.36,3192.15) ; v1(4261,3303) 4261,3320 4307.5,3366.5 4307.5,3429.33 4307.56,3429.39 4307.56,3468.11 4310.48,3471.03 4315.77,3471.03 RX9.1@4325,3480.27
  Mid-Layer 1 w5: v1(4261,3303) 4258.57,3300.57 4252.28,3300.57 4251.71,3300 4241.96,3300 4229,3287.04 4229,3265 4249,3245 4249,3220.51 v1(4277.36,3192.15)
FB_N: RX3.2 RX22.2 U5.G10 | length 234.3
  Top Layer w5: v1(4248.25,3654.39) U5.G10@4264,3670.13 ; RX3.2@4280,3513.46 4289.23,3522.7 4294.52,3522.7 4298,3526.18 4298,3539.71 4292,3545.71 v1(4292,3549)
  Mid-Layer 1 w5: v1(4248.25,3654.39) 4279.75,3622.89 4279.75,3561.25 v1(4292,3549)
  Bottom Layer w5: v1(4292,3549) 4292,3545.56 4301,3536.56 4301,3512.73
FB_P: RX9.2 U5.F10 | length 193.4
  Top Layer w5: U5.F10@4295.49,3670.16 v1(4311.23,3654.42) ; v1(4314,3549) 4314,3545.71 4308,3539.71 4308,3525.97 4310.93,3523.04 4315.69,3523.04 RX9.2@4325,3513.73
  Mid-Layer 1 w5: v1(4311.23,3654.42) 4290.74,3633.92 4290.74,3607.4 4314,3584.14 v1(4314,3549)
FPGA_DONE: Q1.1 U1.R11 | length 2777.2
  Top Layer w4: Q1.1@3523,2304 3523,2247 3569,2201 3569,2048 v1(3768,1849) ; v1@4079,1837 4600,1837 4670,1907 4670,2733 4636,2767 4633,2767 4633,2900 4625,2908 4594,2939 4537,2939 4528,2948 4528,2962 4520,2970 4433.5,2970 U1.R11@4418.46,2954.96
  Mid-Layer 1 w4: v1(3768,1849) 3806,1811 3937,1811 3961,1835 v1(4075,1835)
FPGA_TCK: P2.10 U1.F9 | length 1885
  Top Layer w5: U1.F9@4135,2891.97 4150.38,2876.59 v1(4150.4,2876.75)
  Bottom Layer w4: P2.10@3846,1287 3799,1334 3799,2682.25 3920.8,2804.05 4074.59,2804.05 4088.83,2818.3 4119.52,2818.3 4150.74,2849.52 4150.4,2849.86 v1(4150.4,2876.75)
FPGA_TDI: P2.8 U1.G6 | length 1902.9
  Top Layer w5: v1(4150.75,2781.74) U1.G6@4166.49,2797.48
  Bottom Layer w4: P2.8@4032.5,1283.25 4020.57,1295.18 4012.82,1295.18 3815,1493 3815,2675.63 3925.4,2786.02 4088.89,2786.02 4101.44,2798.57 4133.92,2798.57 v1(4150.75,2781.74)
FPGA_TDO: P2.7 U1.F6 | length 1887.6
  Top Layer w5: v1(4119.26,2781.74) U1.F6@4135,2797.48
  Bottom Layer w4: v1(4119.26,2781.74) 4097.33,2781.74 4092.61,2777.02 3927.71,2777.02 3823,2672.31 3823,1583 4112.82,1293.18 4120.57,1293.18 P2.7@4132.5,1281.25
FPGA_TMS: P2.9 U1.J6 | length 1966.8
  Top Layer w5: v1(4213.75,2813.22) U1.J6@4229.49,2797.48
  Bottom Layer w4: P2.9@3944.82,1261.18 3807,1399 3807,2678.94 3923.08,2795.02 4079.33,2795.02 4090.88,2806.57 4137.42,2806.57 4146.21,2797.78 4198.31,2797.78 v1(4213.75,2813.22)